# Altium PCB Copy of PCB2.PcbDoc
Units mm, origin at the board's own origin, x right, y up, seen from the top; angles counter-clockwise.
Board outline 60.87 x 100.99 mm, 2 copper layers (Top Layer, Bottom Layer); 60 components, 43 nets, 226 pads, 132 vias.
Unrouted connection lines stored in the file: 10.
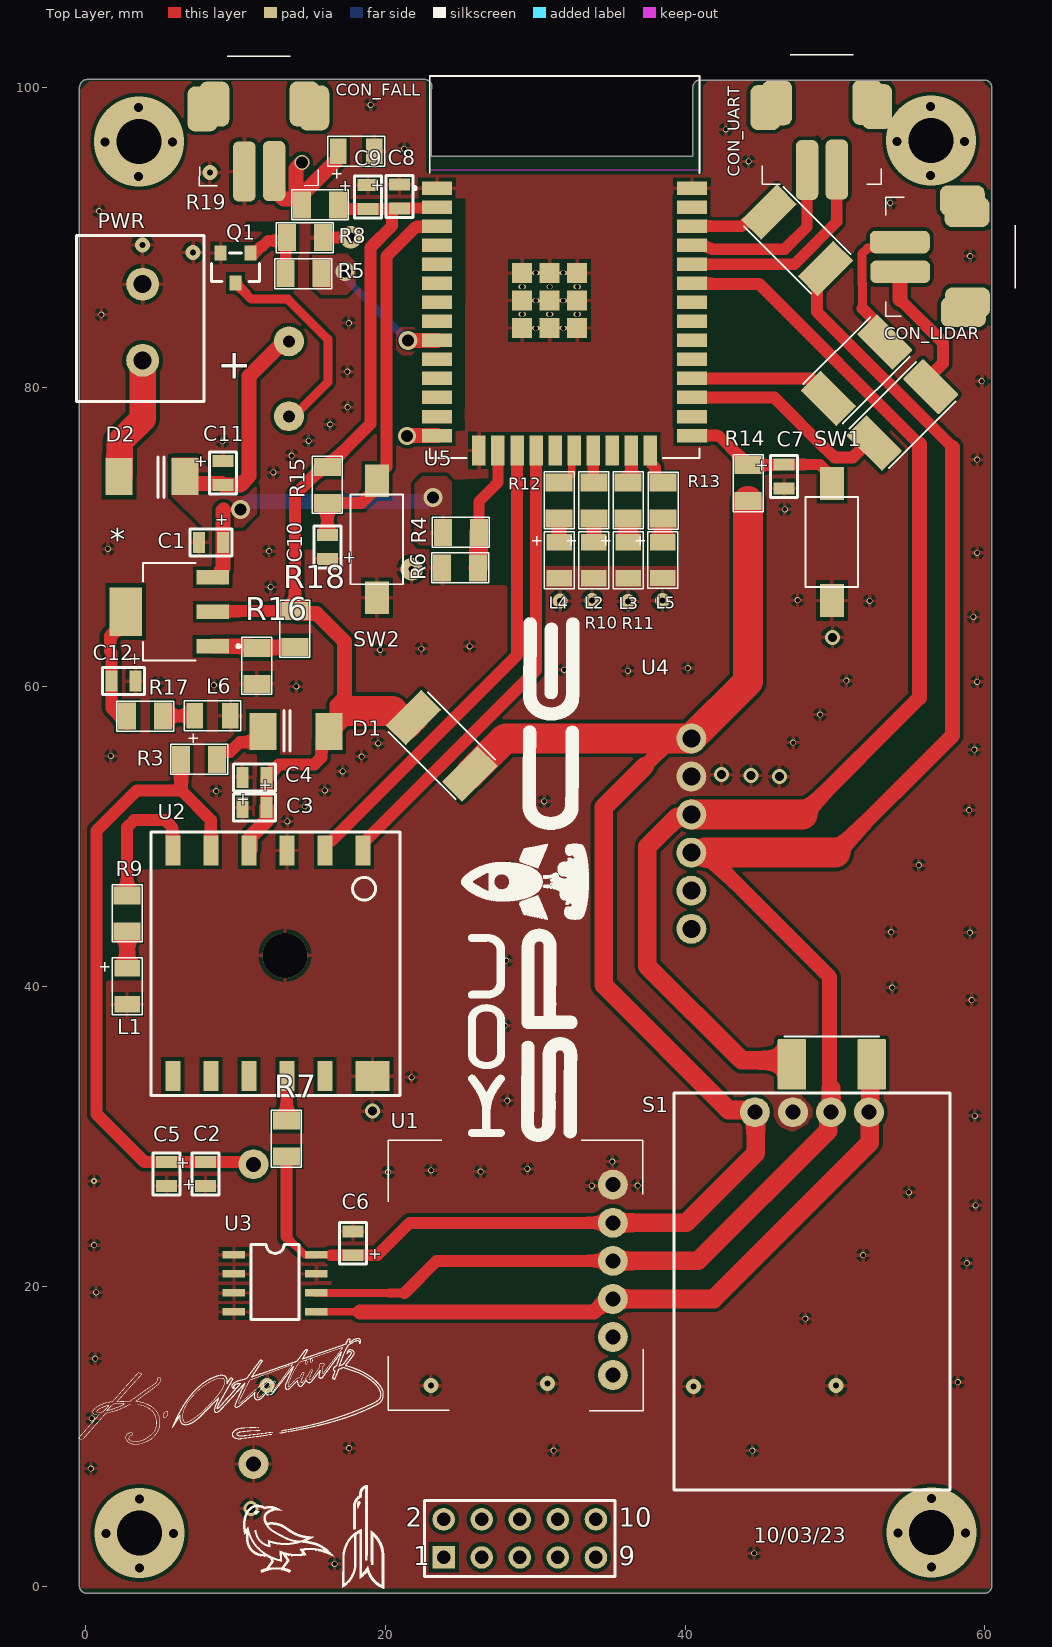
[diagram p0: Top Layer view]
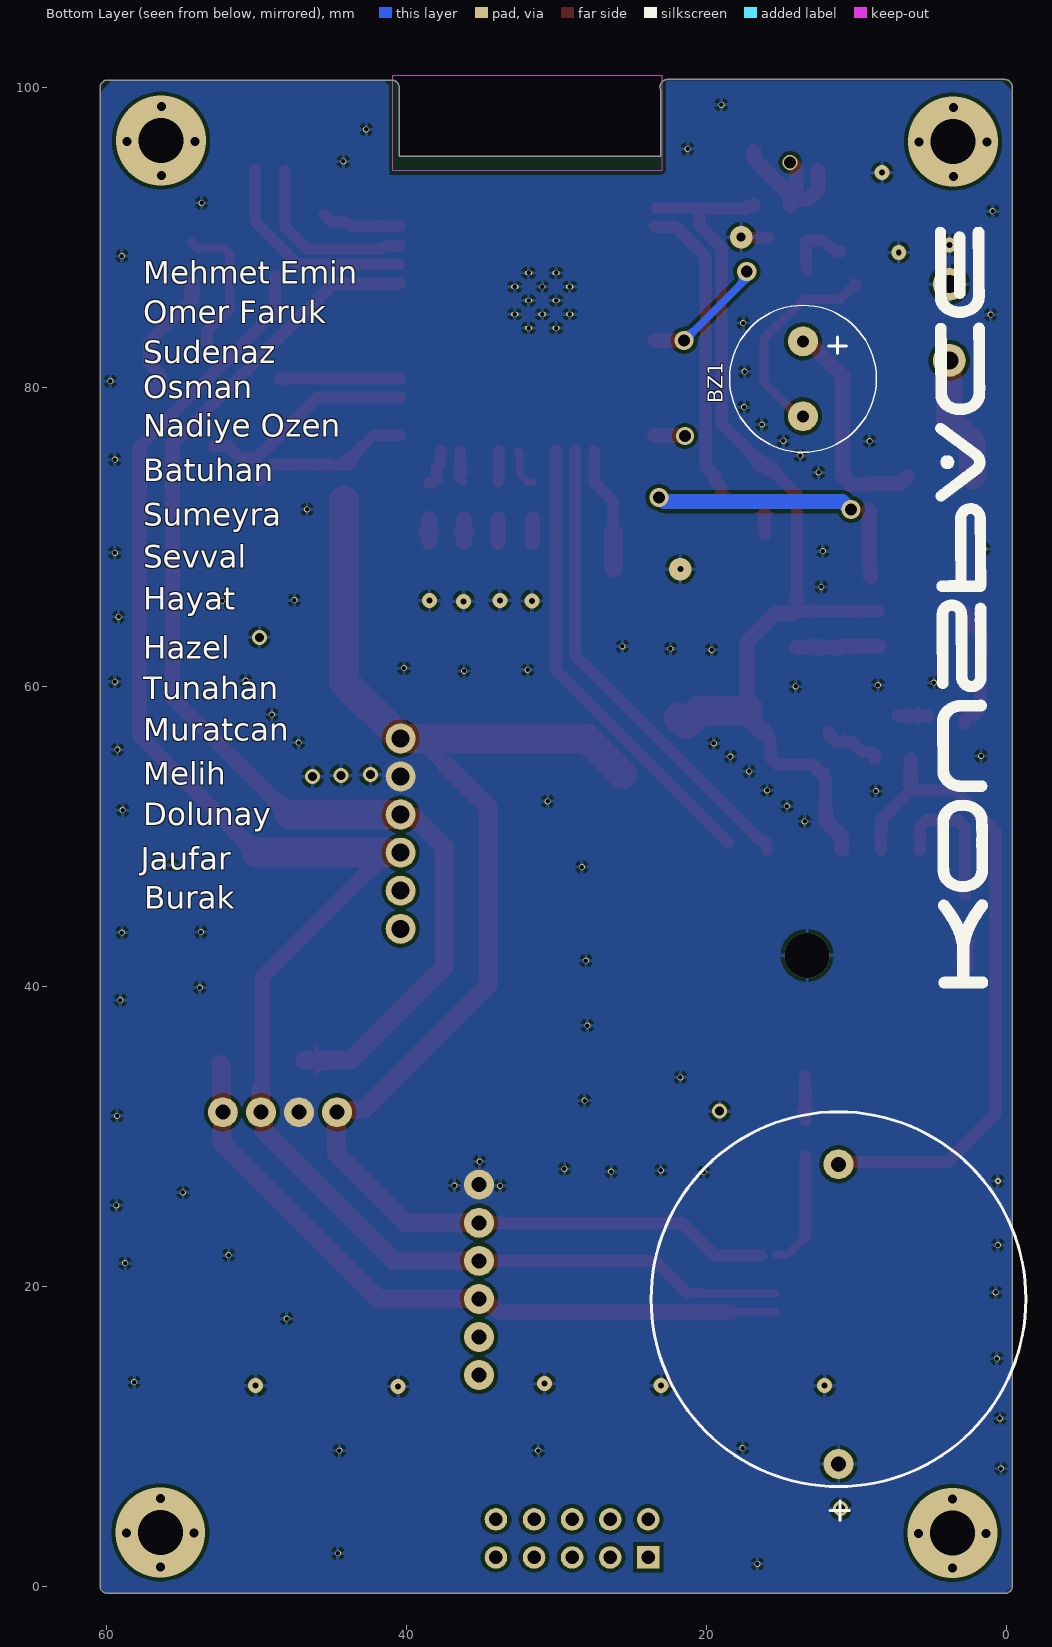
[diagram p1: Bottom Layer view, seen from below]

## Layer stack, top to bottom
Top Solder: solder mask 0.0102, Solder Resist, Dk 3.5
Top Layer: signal copper 0.0356
Dielectric 1: dielectric 0.32, FR-4, Dk 4.8
Bottom Layer: signal copper 0.0356
Bottom Solder: solder mask 0.0102, Solder Resist, Dk 3.5

## Board outline
0.092,-0.462 cw(c0.092,0.038) -0.407,0.069 -0.408,0.1 -0.408,99.966 cw(c0.092,99.966) -0.363,100.174 cw(c0.117,100.03) 0.117,100.53 22.61,100.53 cw(c22.61,100.03) 23.11,100.03 cw(c22.61,100.03) 23.07,99.834 23.07,95.41 40.51,95.41 40.51,99.99 cw(c41.01,99.99) 41.01,100.49 59.96,100.49 cw(c59.96,99.99) 60.46,99.99 60.46,0.038 cw(c59.96,0.038) 59.96,-0.462

## Design rules (kind name [scope] priority, off if disabled: settings)
Clearance [All] p1: gap=0.254 ignorepadtopadclearanceinfootprint=FALSE except(0: Arc-Hole Track-Hole SMDPad-Hole THPad-Hole Via-Hole Fill-Hole Poly-Hole Region-Hole Text-Hole)
PolygonConnect [All] p1: connectstyle=Relief reliefconductorwidth=0.254 reliefentries=4 polygonreliefangle="90 Angle" airgapwidth=0.254
RoutingVias [All] p1: holewidth=0.711 width=1.27 viastyle="Through Hole" minholewidth=0.711 minwidth=1.27 maxholewidth=0.711 maxwidth=1.27
SolderMaskExpansion [All] p1: expansion=0.102 istentingtop=FALSE
Width [All] p1: maxlimit=2 minlimit=0.254 preferedwidth=0.254
30 further rules are at their usual default settings.

## Classes and differential pairs
component class Sensör: BZ1 C1 C2 C3 C4 C5 C6 D1 L1 L2 L3 L4 L5 Q1 R3 R4 R5 R6 R7 R8 R9 R10 R11 R12 R13 S1 U1 U2 U3 U4
component class Mikroişlemci: C7 C8 C9 C10 R14 R15 SW1 SW2 U5
component class Güç: * C11 C12 D2 L6 PWR R16 R17 R18 R19

## Components (designator, comment, footprint, x,y, rotation, side; value= is the part's Value field where it differs from the comment)
* "LM317DCYR" SOT230P700X180-4N 5.588,65.024 r180 top
BZ1 "Buzzer" CMI-9605IC 13.57,80.56 r180 bottom
C1 "100nF" CAP_805 8.37,69.64 r180 top
C2 "CAP 100nF 0805" CAP_805 8,27.51 r270 top
C3 "CAP 100nF 0805" CAP_805 11.26,51.95 r180 top
C4 "CAP 10uF 0805" CAP_805 11.26,53.97 r0 top
C5 "CAP 4.7uF" CAP_805 5.41,27.51 r90 top
C6 "100nF" CAP_805 17.84,22.89 r90 top
C7 "CAP 0.1uF" CAP_805 46.609,74.041 r270 top
C8 "CAP 0.1uF" CAP_805 20.95,92.71 r270 top
C9 "CAP 0.1uF" CAP_805 18.84,92.68 r270 top
C10 "CAP 0.1uF" CAP_805 16.129,69.342 r90 top
C11 "CAP 0.1uF" CAP_805 9.17,74.28 r270 top
C12 "CAP 1uF" CAP_805 2.54,60.39 r180 top
CON_FALL "Comment" SMD_JST 11.58,97.18 r0 top
CON_LIDAR "Comment" SMD_JST 57.11,88.69 r270 top
CON_UART "Comment" SMD_JST 49.12,97.27 r0 top
D1 "S3M Diyot" DO214AA 14.03,57.03 r180 top
D2 "S3M Diyot" DO214AA 4.445,74.041 r0 top
L1 "Led Red" "Led 1206" 2.77,40.02 r270 top
L2 "Led Red" "Led 1206" 33.909,68.453 r270 top
L3 "Led Red" "Led 1206" 36.195,68.453 r270 top
L4 "Led Red" "Led 1206" 31.6,68.453 r270 top
L5 "Led Red" "Led 1206" 38.51,68.47 r270 top
L6 "Led Red" "Led 1206" 8.47,58.09 r0 top
PWR "2 Pin Klemens" "5.08mm-2 pin" 3.81,84.328 r270 top (schematic designator KLM1)
Q1 "BC817-40-HT NPN" SOT-23 10,87.95 r180 top
R3 "RES 4.7K 1206" RES_1206#1 7.58,55.17 r180 top
R4 "15K" RES_1206#1 25.04,70.31 r0 top
R5 "150R" RES_1206#1 14.53,87.58 r0 top
R6 "5.1K" RES_1206#1 24.99,67.94 r180 top
R7 "RES 4.7K 1206" RES_1206#1 13.4,29.87 r90 top
R8 "RES 4.7K 1206" RES_1206#1 14.63,89.97 r180 top
R9 "RES 220R 1206" RES_1206#1 2.77,44.903 r270 top
R10 "RES 220R 1206" RES_1206#1 33.909,72.447 r90 top
R11 "RES 220R 1206" RES_1206#2 36.19,72.447 r90 top
R12 "RES 220R 1206" RES_1206#1 31.6,72.45 r90 top
R13 "RES 220R 1206" RES_1206#1 38.53,72.43 r90 top
R14 "RES 10K 1206" RES_1206#1 44.196,73.603 r270 top
R15 "RES 10K 1206" RES_1206#1 16.129,73.476 r90 top
R16 "200R" RES_1206#1 11.43,61.411 r270 top
R17 "RES 220R 1206" RES_1206#1 3.98,58.06 r180 top
R18 "120R" RES_1206#1 13.97,63.881 r90 top
R19 "PULL_UP" RES_1206#1 15.64,92.155 r0 top
S1 "SEN0140" SEN0140 48.46,31.63 r180 top
SW1 "1437566-3" SW_1437566-3 49.79,69.67 r270 top
SW2 "1437566-3" SW_1437566-3 19.431,69.85 r90 top
U1 "MPL3115A2-TH" MPL3115A2 35.179,20.447 r90 top
U2 "L80 GPS" L-80 12.48,41.54 r90 top
U3 "24LC512" soic-8 12.65,20.21 r270 top
U4 "BNO055" BNO055 49.61,51.57 r0 top
U5 "ESP32-WROOM-32D" MODULE_ESP32-WROOM-32D 31.959,88.022 r0 top
? "Comment" CR2032 11.2,18.16 r90 bottom
? "Comment" RESC6331X70N 49.78,34.82 r0 top
? "Comment" HDR2X5 23.89,1.93 r0 top
? "Comment" RESC6331X70N 23.759,56.081 r135 top
? "Comment" RESC6331X70N 54.499,78.149 r45 top
? "Comment" RESC6331X70N 51.439,81.129 r45 top
? "Comment" RESC6331X70N 47.479,89.801 r135 top
? "Comment" "Led 1206" 18.07,95.73 r0 top

## Footprints (in the part's own frame and the unit in brackets; to place one, negate y for a bottom-side part, rotate by r counter-clockwise, add the part's x,y. Pads: shape width x height; smd on the part's side, far side on the other; paste and mask are expansions set on the pad)
"5.08mm-2 pin" [mm]
  round 2.2 hole 1.2 mask+0.05: 1(-2.54,0) 2(2.54,0)
  silkscreen extent -5.8,-4.4 5.3,4.1, body extent -5.59,-4.2 5.07,3.9, height 10.2
BNO055 [mm]
  round 2 hole 1.2: 2(-9.2,5) 3(-9.2,2.46) 4(-9.2,-0.08) 5(-9.2,-2.62) 6(-9.2,-5.16) 7(-9.2,-7.7)
  body extent -10.5,-14.73 9.82,11.94, height 4.15
CAP_805 [mm]
  rect 0.8x1.4 smd mask+0.05: 1(-0.8,0) 2(0.8,0)
  silkscreen extent -1.4,-0.9 1.4,0.9, body extent -1.3,-0.68 1.3,0.68, height 0.9
CMI-9605IC [mm]
  round 2 hole 0.8 mask+0.05: 1(0,2.5) 2(0,-2.5)
  silkscreen extent -4.9,-4.9 4.9,4.9, body extent -4.8,-4.8 4.8,5.9, height 5.2
CR2032 [mm]
  round 2 hole 1 mask+0.05: 1(-10,0) 2(10,0)
  silkscreen extent -13.75,-12.5 13.5,12.5, body extent -11.25,-11.05 13.04,11.05, height 8.7
DO214AA [mm]
  rect 1.8x2.5 smd mask+0.05: 1(-2.2,0) 2(2.2,0)
  silkscreen extent 0.4,-1.4 0.8,1.3, body extent -2.65,-1.85 2.65,1.85, height 2.3
HDR2X5 [mm] "Connector; Header; 5x2 Position"
  rect 1.5x1.5 hole 0.9: 1(0,0)
  round 1.5 hole 0.9: 2(0,2.54) 3(2.54,0) 4(2.54,2.54) 5(5.08,0) 6(5.08,2.54) 7(7.62,0) 8(7.62,2.54) 9(10.16,0) 10(10.16,2.54)
  silkscreen extent -1.27,-1.27 11.43,3.81
L-80 [mm]
  rect 2x1 smd mask+0.05: 1(7.55,-6.04) 2(7.55,-3.5) 3(7.55,-0.96) 4(7.55,1.58) 5(7.55,4.12) 6(7.55,6.66) 7(-7.5,6.66) 8(-7.5,4.12) 9(-7.5,1.58) 10(-7.5,-0.96) 11(-7.5,-3.5)
  rect 2x2.25 smd mask+0.05: 12(-7.5,-6.66)
  silkscreen extent -8.8,-8.5 8.8,8.1, body extent -8,-8.2 8,7.8, height 7.05
"Led 1206" [mm]
  rect 1.1x1.7 smd mask+0.05: 1(-1.2,0) 2(1.2,0)
  silkscreen extent -1.9,-1.8 1.9,1, body extent -1.59,-0.8 1.61,0.8, height 1.1
MODULE_ESP32-WROOM-32D [mm]
  rect 2x0.9 smd: 1(-8.5,5.26) 2(-8.5,3.99) 3(-8.5,2.72) 4(-8.5,1.45) 5(-8.5,0.18) 6(-8.5,-1.09) 7(-8.5,-2.36) 8(-8.5,-3.63) 9(-8.5,-4.9) 10(-8.5,-6.17) 11(-8.5,-7.44) 12(-8.5,-8.71) 13(-8.5,-9.98) 14(-8.5,-11.25) 25(8.5,-11.25) 26(8.5,-9.98) 27(8.5,-8.71) 28(8.5,-7.44) 29(8.5,-6.17) 30(8.5,-4.9) 31(8.5,-3.63) 32(8.5,-2.36) 33(8.5,-1.09) 34(8.5,0.18) 35(8.5,1.45) 36(8.5,2.72) 37(8.5,3.99) 38(8.5,5.26)
  rect 0.9x2 smd: 15(-5.715,-12.25) 16(-4.445,-12.25) 17(-3.175,-12.25) 18(-1.905,-12.25) 19(-0.635,-12.25) 20(0.635,-12.25) 21(1.905,-12.25) 22(3.175,-12.25) 23(4.445,-12.25) 24(5.715,-12.25)
  rect 1.33x1.33 smd: 39_1(-2.835,-0.405) 39_2(-1,-0.405) 39_3(0.835,-0.405) 39_4(-2.835,-2.24) 39_5(-1,-2.24) 39_6(0.835,-2.24) 39_7(-2.835,-4.075) 39_8(-1,-4.075) 39_9(0.835,-4.075)
  oval 0.5x0.3 hole 0.3: 39_10(-1.917,-0.405) 39_11(-0.082,-0.405) 39_12(-2.835,-1.322) 39_14(0.835,-1.322) 39_15(-1.917,-2.24) 39_16(-0.082,-2.24) 39_17(-2.835,-3.157) 39_18(-1,-3.157) 39_19(0.835,-3.157) 39_20(-1.917,-4.075) 39_21(-0.082,-4.075)
  oval 0.4x0.3 hole 0.3: 39_13(-1,-1.322)
  Keep-Out Layer region: 9,6.45 -9,6.45 -9,12.75 9,12.75
  silkscreen extent -10.1,-12.75 9,12.75, body extent -9,-12.75 9,12.75, height 3.25
MPL3115A2 [mm]
  round 2 hole 1: 1(6.35,0) 2(3.81,0) 3(1.27,0) 4(-1.27,0) 5(-3.81,0) 6(-6.35,0)
  silkscreen extent -8.72,-2.03 9.3,15, body extent -8.7,-2.03 9.3,14.97, height 1.7
RES_1206#1 [mm]
  rect 1.2x1.8 smd mask+0.05: 1(-1.2,0) 2(1.2,0)
  silkscreen extent -1.9,-1 1.9,1, body extent -1.57,-0.82 1.57,0.82, height 0.53
RES_1206#2 [mm]
  rect 1.2x1.8 smd mask+0.05: 1(-1.2,0) (1.2,0)
  silkscreen extent -1.9,-1 1.9,1, body extent -1.57,-0.82 1.57,0.82, height 0.53
RESC6331X70N [mm]
  rrect7% 1.9x3.37 smd: 1(-2.66,0) 2(2.66,0)
  silkscreen extent -3.15,-1.87 3.15,1.87, body extent -3.15,-1.6 3.2,1.6, height 0.58
SEN0140 [mm]
  round 2 hole 1 mask+0.05: 1(3.81,0) 2(1.27,0) 3(-1.27,0) 4(-3.81,0)
  silkscreen extent -9.2,-1.3 9.2,25.2, body extent -8.95,-1.15 9.05,24.85, height 3.6
SMD_JST [mm]
  rrect50% 1.5x4 smd: 1(-0.99,-2.79) 2(1,-2.76)
  rrect50% 2x3 smd: 3(-3.77,1.38) 3(-2.98,1.7) 4(3.03,1.72) 4(3.68,1.45)
  silkscreen extent -3.98,-3.74 3.96,4.91, body extent -3.95,-3.74 3.95,4.88, height 5.61
soic-8 [mm]
  rect 0.5x1.5 smd mask+0.05: 1(-1.905,-2.75) 2(-0.635,-2.75) 3(0.635,-2.75) 4(1.905,-2.75) 5(1.905,2.75) 6(0.635,2.75) 7(-0.635,2.75) 8(-1.905,2.75)
  silkscreen extent -2.6,-1.6 2.4,1.6, body extent -2.46,-3.02 2.44,2.97, height 1.75
SOT230P700X180-4N [mm]
  rect 2.15x0.95 smd: 1(-2.9,2.3) 2(-2.9,0) 3(-2.9,-2.3)
  rect 2.15x3.25 smd: 4(2.9,0)
  silkscreen extent -4.7,-3.25 1.75,3.25, body extent -3.4,-3.25 3.6,3.25, height 1.8
SOT-23 [mm]
  rect 0.8x1 smd mask+0.05: 1(-1,-1) 2(1,-1) 3(0,1)
  silkscreen extent -1.6,-1 1.6,0.9, body extent -1.5,-1.25 1.5,1.25, height 1.1
SW_1437566-3 [mm]
  rect 2.18x1.6 smd: 1(-3.9,0) 2(3.9,0)
  silkscreen extent -3,-1.75 3,1.75

## Part data
BZ1: library part BUZZER, Designed by="Ahmet Azboy"
C1 C6: library part "CAP 100nF 0805", "0805 smd"
C2 C3 C4 C12: "0805 smd"
C5: library part "CAP 2.2uF", "0805 smd"
C7 C8 C9 C10 C11: library part "CAP 1uF", "0805 smd"
D1 D2: Case/Package=DO214AA, Current=3A, Voltage=1000V
PWR: "5.08mm 2 pin klemens"
Q1: Case/Package=SOT-23, Current="500 mA", Voltage=45V
R4 R6: library part "RES 1K 1206"
R5 R19: library part "RES 4.7K 1206"
R16 R18: library part "RES 820R 1206"
S1: "10 DOF IMU"
SW1 SW2: "Switch Tactile OFF (ON) SPST Rectangular Button Gull Wing 0.05A 12VDC SMD Loose Piece", Package=None, Availability=Unavailable, MP=1437566-3, Price=None
U3: "EEPROM Serial-2Wire 512K-bit 64K x 8 3.3V/5V 8-Pin SOIJ Tube / IC EEPROM 512KBIT 400KHZ 8SOIJ", Case/Package=SOIC, Frequency=400kHz, Manufacturer=Microchip, Manufacturer Part Number=24LC512-I/SM, Max Operating Temperature=85°C, Max Supply Voltage=5.5V, Min Operating Temperature=-40°C, Min Supply Voltage=2.5V, Nominal Supply Current=5mA, Package Quantity=90, Supplier Part Number 1=8895724, Access Time=900ns, Access Time-Max=900ns, Category=EEPROM, ComponentLink1Description=https://datasheet.ciiva.com/26870/24lc512-i-sm-26870738.pdf?src-supplier=IIIC, ComponentLink1URL=https://datasheet.ciiva.com/26870/24lc512-i-sm-26870738.pdf?src-supplier=IIIC, ComponentLink2Description=https://datasheet.ciiva.com/29294/160414-da-01-en-eeprom-24lc512-i-sm-microchip-29294348.pdf?src-supplier=Conrad, ComponentLink2URL=https://datasheet.ciiva.com/29294/160414-da-01-en-eeprom-24lc512-i-sm-microchip-29294348.pdf?src-supplier=Conrad, ComponentLink3Description=https://datasheet.ciiva.com/17651/21754m-17651369.pdf?src-supplier=Avnet+Europe, ComponentLink3URL=https://datasheet.ciiva.com/17651/21754m-17651369.pdf?src-supplier=Avnet+Europe, ComponentLink4Description=https://datasheet.ciiva.com/1155/1688094-1155274.pdf?src-supplier=Element14, ComponentLink4URL=https://datasheet.ciiva.com/1155/1688094-1155274.pdf?src-supplier=Element14, ComponentLink5Description=https://datasheet.ciiva.com/1155/1688094-1155275.pdf?src-supplier=Element14, ComponentLink5URL=https://datasheet.ciiva.com/1155/1688094-1155275.pdf?src-supplier=Element14, ComponentLink6Description=https://datasheet.ciiva.com/3184/21754m-3184956.pdf?src-supplier=Avnet, ComponentLink6URL=https://datasheet.ciiva.com/3184/21754m-3184956.pdf?src-supplier=Avnet, ComponentLink7Description=https://datasheet.ciiva.com/16921/70045251-16921949.pdf?src-supplier=Allied+Electronics, ComponentLink7URL=https://datasheet.ciiva.com/16921/70045251-16921949.pdf?src-supplier=Allied+Electronics, ComponentLink8Description=https://datasheet.ciiva.com/16304/filehandler-aspxddocname-en546203-16304574.pdf?src-supplier=Future+Electronics, ComponentLink8URL=https://datasheet.ciiva.com/16304/filehandler-aspxddocname-en546203-16304574.pdf?src-supplier=Future+Electronics, Density=512Kb, Designed by="Ahmet Azboy", Height=1.88mm, Lead Free="Lead Free", Length=5.21mm, Max Frequency=400kHz, Memory Size=512Kb, Memory Type=EEPROM, Mount="Surface Mount", Number of Pins=8, Organization=64KX8, Packaging=Rail/Tube, Pricing 1="90=1,48900 (GBP)", Programming Voltage=5.5V, Radiation Hardening=No, REACH SVHC="No SVHC", RoHS=Yes, RoHS Compliant=Yes, Stock 1=53, Supplier 1=RSComponents, Supply Current=5mA, Supply Voltage-Nom=5.5V, Width=5.28mm, Write Cycle Time-Max (tWC)=5ms, Write Protection=YES, Interface=I2C,Serial,2-Wire
U5: "Bluetooth, WiFi 802.11b/g/n, Bluetooth v4.2 +EDR, Class 1, 2 and 3 Transceiver Module 2.4GHz ~ 2.5GHz Integrated", Package="Module Espressif Systems", Availability="In Stock", Check_prices=https://www.snapeda.com/parts/ESP32-WROOM-32D/Espressif+Systems/view-part/?ref=eda, MF="Espressif Systems", MP=ESP32-WROOM-32D, Price=None, Purchase-URL=https://pricing.snapeda.com/search/part/ESP32-WROOM-32D/?ref=eda, SnapEDA_Link=https://www.snapeda.com/parts/ESP32-WROOM-32D/Espressif+Systems/view-part/?ref=snap
U2: Designed by="Ahmet Azboy", Name="Quetcel L80"

## Via types
v1: diameter 0.4, hole 0.3, Top Layer to Bottom Layer, 84 vias
v2: diameter 0.6, hole 0.6, Top Layer to Bottom Layer, 16 vias
v3: diameter 1, hole 0.4, Top Layer to Bottom Layer, 12 vias
v4: diameter 1, hole 0.6, Top Layer to Bottom Layer, 6 vias
v5: diameter 1.27, hole 0.8, Top Layer to Bottom Layer, 4 vias
v6: diameter 6, hole 3, Top Layer to Bottom Layer, 4 vias
v7: diameter 1, hole 0.8, Top Layer to Bottom Layer, 1 vias
v8: diameter 1.2, hole 0.8, Top Layer to Bottom Layer, 1 vias
v9: diameter 0.4, hole 0.2, Top Layer to Bottom Layer, 1 vias
v10: diameter 3, hole 3, Top Layer to Bottom Layer, 1 vias
v11: diameter 1.5, hole 0.4, Top Layer to Bottom Layer, 1 vias
v12: diameter 1.5, hole 0.6, Top Layer to Bottom Layer, 1 vias

## Nets (pads, with @x,y where several pads share a name; then routed paths per layer and width w, separated by ;. In a path a pad name is that pad's centre, name@x,y a point inside that pad or via, vN(x,y) a via of type N, cw(c..) or ccw(c..) an arc to the next point about the centre after c; other vN are vias at no path point)
+3V3: *.2 *.4 ?.1@25.64,54.2 ?.2@21.878,57.962 C3.1 C4.2 C6.1 C8.2 C9.2 C12.2 D1.1 R7.1 R14.2 R15.2 R17.2 R18.2 R19.2 S1.1 U1.2 U2.4 U3.8 U4.2 U5.2 | length 185.2
  Top Layer w0.5: 13.4,23.33 14.615,22.115 U3.8 ; C8.2 20.996,91.956 C8.2@21.006,91.966 ; U5.2@23.403,91.956 U5.2
  Top Layer w0.75: C8.2@20.526,91.956 20.996,91.956 U5.2@23.403,91.956
  Top Layer w0.8: *.4 2.688,64.474 1.62,63.406 1.62,62.41 1.74,62.29 C12.2 1.74,58.598 2.307,58.031 2.607,58.031 2.807,57.831 R17.2@2.807,57.531 ; *.2 8.517,65.053 13.941,65.053 R18.2 ; U2.4 U2.4@11,49.19 ; 11.47,50.47 11.591,50.47 ; C3.1 C4.2 ; C4.2@12.13,54.27 12.36,54.27 12.92,54.83 15.261,54.83 15.73,55.299 15.73,56.53 D1.1 ; 13.4,23.33 R7.1 ; R18.2@14.139,64.912 R18.2 ; 16.378,22.09 C6.1 19.47,22.09 21.637,24.257 U1.2 ; D1.1@16.689,57.489 16.689,58.402 16.689,58.819 16.937,59.067 17.29,59.42 ; R19.2@16.84,92.21 16.84,92.1 16.83,92.09 R19.2@17.26,92.09 ; R19.2@17.37,91.9 18.84,91.9 20.17,91.9 ; C8.2@20.459,91.9 20.459,90.769 19.01,89.32 19.01,77.557 16.629,75.176 16.629,74.876 16.429,74.676 R15.2 15.829,74.676 13.97,72.817 R18.2
  Top Layer w1: U2.4@11,49.19 11,50 11.47,50.47 12.06,51.06 C3.1 ; R18.2@14.139,64.912 15.398,64.912 17.29,63.02 17.29,59.42 ; 37.31,54.72 39.017,56.427
  Top Layer w1.25: D1.1 16.689,57.489 17.602,58.402 ; U1.2 40.077,24.257 44.704,28.884 44.704,31.63 44.56,31.774 42.916,31.774 34.57,40.12 34.57,51.98 37.31,54.72
  Top Layer w2: 17.602,58.402 20.469,58.402 21.358,57.513 21.429,57.513 ?.2@21.878,57.962 ; ?.1@25.64,54.2 28.01,56.57 U4.2 44.196,60.356 R14.2
+12V: *.3 BZ1.1 C1.1 C11.2 D2.2 R4.1 | length 33
  Top Layer w1: D2.2@7.03,73.656 D2.2 6.645,73.98 7.045,73.58 9.07,73.58 C11.2 10.334,73.48 10.92,74.066 10.92,80.74 BZ1.1@13.29,83.11 ; *.3@9.063,67.349 9.063,67.803 9.17,67.91 C1.1 9.17,71.76 9.2,71.79
  Bottom Layer w1: v5(10.35,71.85) 10.423,71.85 10.933,72.36 22.827,72.36 23.107,72.64 v5(23.18,72.64)
+12V_D: D2.1 PWR.2 | length 8.4
  Top Layer w1.75: D2.1 2.28,74.076 2.28,76.35 3.81,77.88 PWR.2
BATTERY: R4.2 R6.1 U5.16 | length 8.4
  Top Layer w0.75: R4.2 26.24,72.37 27.34,73.47 27.514,73.644 U5.16
  Top Layer w1.256: R6.1 26.215,67.965 26.215,70.285 R4.2
BUZZER: R5.2 U5.9 | length 8.3
  Top Layer w0.5: v5(21.5,83.11) v5@21.506,83.116 ; U5.9@23.453,83.116 U5.9
  Top Layer w1: v5@21.506,83.116 U5.9@23.453,83.116
  Bottom Layer w0.5: v5(17.32,87.72) 17.467,87.573 17.467,87.143 v5(21.5,83.11)
CNTRL_RX: CON_UART.2 U5.34 | length 14.3
  Top Layer w0.75: U5.34 47.282,88.202 50.12,91.04 CON_UART.2
CNTRL_TX: CON_UART.1 U5.35 | length 12.2
  Top Layer w0.75: U5.35 40.535,89.397 41.408,89.397 41.524,89.281 41.72,89.281 41.794,89.207 46.647,89.207 48.13,90.69 CON_UART.1
FREE_FALL: ?.1@16.87,95.73 CON_FALL.2 R19.1 U5.14 | length 12.2
  Top Layer w1: CON_FALL.2 12.58,93.17 13.195,92.555 R19.1@14.04,92.555 ; R19.1@14.03,92.565 14.03,94.6 v7(14.43,95) ; R19.1 14.44,92.841 16.82,95.221 16.82,95.68 ?.1@16.87,95.73 ; v8(21.45,76.74) 21.482,76.772 U5.14
GND: ?.1@11.2,8.16 ?.2@19.27,95.73 C1.2 C2.2 C3.2 C4.1 C5.1 C6.2 C7.2 C8.1 C9.1 C10.1 C11.1 C12.1 CON_FALL.1 L1.2 L2.2 L3.2 L4.2 L5.2 L6.2 PWR.1 Q1.2 R6.2 R8.1 R16.2 S1.2 SW1.2 SW2.1 U1.1 U2.3 U2.12 U3.1 U3.2 U3.3 U3.4 U3.7 U4.3 U5.1 U5.15 U5.38 U5.39_1 U5.39_2 U5.39_3 U5.39_4 U5.39_5 U5.39_6 U5.39_7 U5.39_8 U5.39_9 U5.39_10 U5.39_11 U5.39_12 U5.39_13 U5.39_14 U5.39_15 U5.39_16 U5.39_17 U5.39_18 U5.39_19 U5.39_20 U5.39_21 | length 1.9
  Top Layer w0.8: R8.1 15.85,89.99 17.67,89.99 v12(17.69,90.01)
  other v1: 16.61,1.5 44.6,2.21 0.36,7.86 31.23,9.06 44.49,9.06 17.59,9.22 0.43,11.21 58.19,13.62 0.64,15.2 48.02,17.86 0.71,19.62 58.79,21.56 51.88,22.1 0.57,22.76 59.38,25.42 54.93,26.29 33.77,26.72 36.83,26.74 20.19,27.63 26.36,27.67 23.05,27.76 29.48,27.85 35.14,28.34 59.33,31.39 28.14,32.41 21.75,33.96 27.96,37.41 59.11,39.11 53.81,39.95 28.05,41.74 59,43.62 53.74,43.65 28.32,47.99 55.59,48.11 13.46,51.03 58.95,51.78 14.64,52.05 30.6,52.37 8.71,53.06 15.967,53.103 17.157,54.369 18.413,55.357 1.69,55.4 59.3,55.82 19.513,56.237 47.21,56.29 49,58.16 14.057,60.033 8.567,60.123 4.83,60.29 59.48,60.34 50.75,60.42 36.18,61.07 31.93,61.14 40.19,61.25 19.66,62.48 22.41,62.55 25.617,62.715 59.23,64.67 52.31,65.74 47.5,65.79 12.35,66.67 59.48,68.95 12.24,69.06 1.49,69.21 46.65,71.85 12.53,74.31 59.48,75.16 13.75,75.43 9.13,76.4 14.88,76.42 16.31,77.51 17.49,78.67 59.78,80.4 17.46,81.03 17.56,84.28 1.05,84.84 59.01,88.75 0.91,91.74 53.68,92.29 44.23,95.06 21.26,95.9 42.71,97.19 19.02,98.84
  other v3: 40.57,13.33 12.12,13.39 23.03,13.39 50.08,13.39 30.81,13.52 36.2,65.71 31.66,65.74 38.49,65.76 33.792,65.78 7.18,88.99 3.79,89.49 8.29,94.31
  other v4: 11.05,5.19 19.13,31.7 46.28,54.02 44.39,54.1 42.42,54.15 49.83,63.31
  other v9: 0.57,27.04
  other v10: 13.3,42.1
  other v11: 21.75,67.86
GPS_RXD: U2.2 U5.17 | length 32.1
  Top Layer w0.75: U2.2 15.98,49.59 16.105,49.715 U2.2@16.375,49.715
  Top Layer w0.8: U2.2@16.375,49.715 28.784,62.124 U5.17
GPS_TXD: U2.1 U5.18 | length 30.9
  Top Layer w0.8: U2.1@18.545,49.615 30.054,61.125 U5.18
I/O1: U5.11
I/O2: U5.12
I/O3: U5.13
I/O4: 
IO0: C7.1 R14.1 SW1.1 U5.25 | length 11
  Top Layer w0.75: U5.25 42.227,76.772 43.671,75.328 43.671,75.028 43.896,74.803 R14.1 46.271,74.803 46.309,74.841 C7.1 48.983,74.841 49.784,74.04 SW1.1@49.784,73.75
"LED CNTRL": R11. U5.22 U5.23 | length 2.2
  Top Layer w0.5: R11. R11.@36.43,73.887 ; U5.23 U5.23@36.43,75.746
  Top Layer w0.75: R11.@36.43,73.887 U5.23@36.43,75.746
"LED PWR": R10.2 U5.21 | length 2.1
  Top Layer w0.5: R10.2@33.864,73.692 R10.2
  Top Layer w0.75: R10.2@33.864,73.692 U5.21
LED_FREEFALL: R13.2 U5.24 | length 2.7
  Top Layer w0.75: U5.24 37.75,75.697 37.75,74.891 38.005,74.635 38.005,73.855 38.23,73.63 R13.2
Led_Gps: R9.1 U2.6 | length 9.5
  Top Layer w0.8: R9.1 2.77,50.641 3.239,51.11 5.306,51.11 5.774,50.641 5.774,49.136 U2.6
LEDSİGN: R12.2 U5.20 | length 2.7
  Top Layer w0.5: R12.2 31.9,73.65 32.45,74.2 32.45,75.628 U5.20
Net*_1: *.1 R16.1 R18.1 | length 5.6
  Top Layer w1: *.1 11.017,62.724 11.13,62.611 R16.1 11.465,62.646 13.935,62.646 R18.1
NetBT1_POS: ?.2@11.2,28.16 C2.1 C5.2 R3.2 U2.5 | length 44.4
  Top Layer w0.8: 6.38,53.11 6.39,53.1 ; U2.5 8.36,51.13 6.39,53.1 ; ?.2@11.2,28.16 11.05,28.31 C2.1 3.93,28.31 0.73,31.51 0.73,50.4 3.43,53.1 6.39,53.1
  Top Layer w0.9: 6.38,53.11 R3.2
NetBZ1_2: BZ1.2 Q1.3 | length 14.8
  Top Layer w0.6: Q1.3 10,86.85 10.1,86.75 10.2,86.75 11.07,85.88 13.5,85.88 16.17,83.21 16.17,80.34 BZ1.2@13.25,77.42
NetC10_2: C10.2 R15.1 SW2.2 U5.3 | length 25.8
  Top Layer w0.8: C10.2 R15.1 18.396,72.276 19.031,72.911 19.031,73.35 SW2.2 19.431,74.04 20.07,74.679 20.07,88.72 22.042,90.692 23.409,90.692 U5.3
NetD1_2: D1.2 R3.1 | length 4.1
  Top Layer w0.8: R3.1 8.78,55.47 8.98,55.67 9.641,55.67 10.292,56.321 11.33,56.321 11.83,56.821 D1.2
NetL1_1: L1.1 R9.2 | length 2.5
  Top Layer w1: L1.1 R9.2
NetL2_1: L2.1 R10.1 | length 1.6
  Top Layer w1: L2.1 R10.1
NetL3_1: L3.1 R11.1 | length 1.6
  Top Layer w1: R11.1 36.192,71.245 36.192,69.656 L3.1
NetL4_1: L4.1 R12.1 | length 1.6
  Top Layer w1: L4.1 R12.1
NetL5_1: L5.1 R13.1 | length 1.6
  Top Layer w1: L5.1 38.52,69.68 38.52,71.22 R13.1
NetL6_1: L6.1 R17.1 | length 2.1
  Top Layer w0.8: R17.1 5.195,58.075 7.255,58.075 L6.1
NetLabel24: 
NetLabel25: 
NetLabel27: 
NetLabel28: 
NetLabel29: 
NetQ1_1: Q1.1 R5.1 R8.2 | length 4.7
  Top Layer w0.75: Q1.1@11.008,89.034 11.008,89.058 11.025,89.075 11.385,89.075 11.693,89.383 11.783,89.383 12.174,89.774 13.424,89.774 13.355,89.705 13.355,87.875 R5.1@13.31,87.83
NetR7_2: R7.2 U2.10 | length 3
  Top Layer w0.8: R7.2 13.42,31.09 13.42,34.02 U2.10
RXD_LİDAR: ?.1@52.618,76.268 ?.2@56.38,80.03 CON_LIDAR.2 U5.27 | length 23.6
  Top Layer w0.8: U5.27 45.948,79.312 49.39,75.87 49.409,75.87 49.965,75.314 51.195,75.314 51.995,76.114 52.802,76.114 ?.1@52.863,76.053 ; 54.34,85.84 57.2,82.98 57.2,81.588 56.4,80.788 56.4,80.423 ?.2@57.2,79.623
  Top Layer w1: 54.34,85.84 54.34,86.923
SCL: ?.1@49.36,87.92 ?.2@45.598,91.682 S1.3 U1.3 U3.6 U4.5 U5.36 | length 121.1
  Top Layer w0.56: U3.6 21.285,19.575
  Top Layer w0.75: U5.36 43.785,90.742 44.065,91.022 45.008,91.022 ?.2@45.528,91.542
  Top Layer w0.8: 21.285,19.575 23.427,21.717 U1.3 ; ?.1@48.79,87.41 48.79,85.032 57.84,75.983
  Top Layer w1: U4.5 41.34,48.95 49.639,40.651 49.639,33.419 49.784,33.274 ; 50.02,48.95 57.84,56.77 57.84,75.983
  Top Layer w1.24: U1.3 40.857,21.717 49.54,30.4 S1.3@49.54,31.63 ; S1.3 49.73,33.22
  Top Layer w2: U4.5@41.34,48.95 50.02,48.95
SDA: ?.1@47.12,34.82 ?.2@52.44,34.82 S1.4 U1.4 U3.5 U4.4 U5.33 | length 125.6
  Top Layer w0.5: U3.5 18.32,18.305
  Top Layer w0.56: U1.4@34.789,19.177 U1.4
  Top Layer w0.8: U5.33 40.509,86.882 44.938,86.882 55.62,76.2
  Top Layer w1: 18.32,18.305 33.917,18.305 U1.4@34.789,19.177 ; 47.83,51.49 55.62,59.28 55.62,76.2
  Top Layer w1.25: U1.4 41.909,19.177 52.324,29.592 S1.4@52.324,31.63 ; U4.4 40.266,51.346 39.486,51.346 37.48,49.34 37.48,41.38 43.77,35.09 ?.1@46.8,35.09 ; S1.4 52.355,31.715 52.355,34.735 ?.2@52.44,34.82
  Top Layer w2: U4.4 47.83,51.49
TXD_LİDAR: ?.1@49.558,79.248 ?.2@53.32,83.01 CON_LIDAR.1 U5.28 | length 17.4
  Top Layer w0.6: 51.82,85.26 51.82,86.906 51.796,86.93 51.796,88.898 52.174,89.276 53.916,89.276 CON_LIDAR.1
  Top Layer w0.8: U5.28 48.388,80.582 ?.1@48.46,80.51 ; 51.82,85.26 53.32,83.76 ?.2@53.32,83.01
pads on no net: ?.1@23.89,1.93 ?.2@23.89,4.47 ?.3 ?.4 ?.5 ?.6 ?.7 ?.8 ?.9 ?.10 CON_FALL.3 CON_FALL.4 CON_LIDAR.3 CON_LIDAR.4 CON_UART.3 CON_UART.4 U1.5 U1.6 U2.7 U2.8 U2.9 U2.11 U4.6 U4.7 U5.4 U5.5 U5.6 U5.7 U5.8 U5.10 U5.19 U5.26 U5.29 U5.30 U5.31 U5.32 U5.37
copper on no net: | length 6.8
  Top Layer w0.254: v2(54.14,96.4) 56.349,96.4 v6(56.393,96.444) 58.626,96.444 v2@58.65,96.42
  Bottom Layer w0.254: v2(56.37,98.71) 56.37,96.467 v6(56.393,96.444)
  other v2: 3.584,1.232 56.421,1.283 1.354,3.512 5.864,3.512 54.191,3.563 58.701,3.563 3.584,5.822 56.421,5.873 3.533,94.069 56.37,94.12 1.303,96.349 5.813,96.349 58.65,96.4 3.533,98.659
  other v6: 3.607,3.556 56.444,3.607 3.556,96.393

## Polygon pours and split planes (outlines as drawn)
GND on Top Layer "GND_L01_P009" (solid, pour order 9): -0.32,-0.05 -0.23,-0.14 60.282,-0.14 60.34,-0.082 60.34,99.88 59.76,100.46 41.59,100.46 41.13,100 41.13,94.17 22.92,94.17 22.7,94.39 22.7,100.37 22.63,100.44 22.6,100.41 0.26,100.41 -0.35,99.8 -0.32,99.77
BUZZER on Top Layer "BUZZER_L01_P002" (solid, pour order 2): 24.44,83.54 24.44,82.69 24.43,82.68 22.27,82.68 21.72,82.13 21.11,82.13 20.69,82.55 20.69,83.69 21,84 21.91,84 22.34,83.57 24.45,83.57 24.45,83.59
+12V on Top Layer "+12V_L01_P005" (solid, pour order 5): 5.68,75.16 5.76,75.08 5.76,72.73 7.85,70.64 10.49,70.64 11.41,71.56 11.41,73.96 11.23,74.14 8.61,74.14 7.41,75.34 5.8,75.34
+12V on Top Layer "+12V_L01_P003" (solid, pour order 3): 24.45,69.4 24.4,69.45 22.26,69.45 21.97,69.74 21.97,73.57 22.46,74.06 24.06,74.06 24.43,73.69
BUZZER on Top Layer "BUZZER_L01_P000" (solid, pour order 0): 15.07,88.92 15.14,88.85 15.14,86.74 15.71,86.17 17.42,86.17 18.03,86.78 18.03,88.32 17.452,88.898
GND on Bottom Layer "GND_L02_P008" (solid, pour order 8): -0.31,99.82 0.275,100.405 3.05,100.43 22.61,100.43 22.61,100.41 22.96,100.06 22.96,94.14 41.18,94.14 41.22,94.18 41.07,94.33 41.07,99.97 41.55,100.45 41.59,100.41 59.7,100.41 60.39,99.72 60.37,99.7 60.37,-0.09 60.04,-0.42 0.07,-0.42 -0.35,0 -0.31,0.04

## Other copper
Top Layer:
  pour cut-out: 46.586,81.361 46.629,81.318 46.629,81.242 48.627,81.242 48.714,81.155 48.893,81.334 49.088,81.334 49.088,81.387 49.152,81.451 48.065,82.537 48.065,82.581 47.969,82.581 46.629,81.242
  pour cut-out: 51.64,78.657 51.819,78.657 52.002,78.474 51.975,78.448 51.975,78.341 50.547,76.913 50.547,76.628 50.951,76.223 50.938,76.21 50.938,76.097 50.867,76.097 50.744,75.974 50.219,75.974 49.552,76.641 49.907,76.997 49.907,77.208 50.173,77.208 50.203,77.177 51.64,78.614 51.64,78.657 51.736,78.657 51.778,78.699
  pour cut-out: 43.042,73.949 43.042,73.257 45.35,73.257 45.35,73.949
  pour cut-out: 41.714,86.222 41.714,81.242 41.717,81.246 44.665,81.246 44.665,86.222
  pour cut-out: 44.665,86.222 44.665,81.246 46.442,81.242 48.065,82.581 50.556,79.99 49.105,78.439 48.749,78.51 47.159,80.099 46.43,79.85 46.136,79.922 46.114,79.778 49.143,76.75 49.597,76.75 49.937,77.251 49.244,78.08 50.695,79.631 50.82,79.656 53.436,77.04 53.78,77.11
  pour cut-out: 11.406,54.924 11.41,55.58 12.559,55.526 12.587,55.399 12.033,54.926
  pour cut-out: 27.998,73.236 26.881,72.104 26.881,71.464 27.094,71.464 27.044,66.786 28.12,66.79 28.125,73.197
  pour cut-out: 14.63,72.544 14.64,69.14 17.083,69.196 17.083,69.488 15.175,69.488 15.175,70.796 15.43,70.89 15.46,71.088 15.419,71.31 15.356,71.417 14.975,71.422 14.975,72.723 14.858,72.772 14.975,72.723 14.858,72.772
  pour cut-out: 45.326,87.561 45.293,87.434 48.115,84.638 48.219,84.703 48.074,86.382 47.239,87.285 47.231,87.501 47.132,87.599
  pour cut-out: 48.702,96.804 48.645,96.633 48.921,96.091 48.921,91.271 49.048,91.218 49.397,91.567 49.397,95.751 49.283,96.099 49.204,96.205 49.138,96.281 49.07,96.6 48.834,96.804
  pour cut-out: 49.233,75.43 49.817,74.914 50.52,74.93 50.844,74.914 51.34,74.87 51.985,75.489 51.43,75.52 51.031,76.157 50.586,75.873 50.336,75.624 50.041,75.453 49.436,75.294
  pour cut-out: 42.472,77.365 42.68,77.225 43.06,76.84 44.175,75.802 44.75,75.48 45.103,75.657 45.35,75.657 45.355,75.482 45.521,75.452 45.902,75.495 46.74,75.47 48.379,75.482 48.422,75.609 45.375,78.652 41.714,78.629 41.714,77.42 41.714,78.629 41.714,77.42
  pour cut-out: 1.616,44.557 1.44,44.592 1.39,44.549 1.4,40.42 1.666,40.416 1.666,42.024 1.891,42.024 1.978,42.576 1.956,42.679 1.877,42.844 1.616,42.849 1.616,44.525 1.43,44.66 1.39,44.549
  pour cut-out: 1.39,50.127 1.43,44.66 3.924,44.557 3.924,45.249 1.616,45.249 1.616,46.957 2.018,46.982 2.107,47.362 2.17,50.88 1.994,50.731 2.17,50.88 1.994,50.731
  pour cut-out: 22.205,78.603 20.707,78.595 20.73,81.978 20.847,82.027 20.927,81.947 21.819,81.891 22.088,82.132 22.205,82.083
  pour cut-out: 22.205,89.923 22.205,84.226 22.078,84.193 21.91,84.259 21,84.259 20.73,84.264 20.73,88.447
  pour cut-out: 39.205,77.338 39.13,77.353 39.13,92.77
  pour cut-out: 24.71,77.06 25.34,77.11 25.29,78.55 25.342,78.553 25.362,92.599 24.713,92.578 24.713,77.338
  pour cut-out: 48.724,50.596 49.052,51.163 49.094,51.483 49.23,51.88 56.355,59.083 56.481,76.409 57.079,75.81 57.079,57.085 50.15,50.29 50.015,50.215 49.48,50.23 48.68,50.23 48.36,50.215 48.335,50.342 48.36,50.215 48.335,50.342
  pour cut-out: 25.787,72.823 25.599,71.738 25.575,71.528 25.386,71.464 25.336,66.786 24.644,66.786 24.641,73.832 26.873,73.91 24.641,73.832 26.873,73.91
  pour cut-out: 39.614,68.074 39.614,68.866 30.696,68.849 30.696,68.057 30.696,68.849 30.696,68.057
  pour cut-out: 30.696,72.796 30.696,72.104 39.684,72.084 39.684,72.776 30.46,72.84
  pour cut-out: 10.346,89.704 9.654,89.704 9.654,88.196 10.346,88.196
  pour cut-out: 47.796,32.875 47.762,32.748 48.359,32.114 48.394,31.981 48.526,31.981 48.561,32.114 48.823,32.497 48.85,36.84 48.129,36.74 48.33,33.201 48.235,32.97
  pour cut-out: 50.899,32.114 51.066,31.981 51.101,32.114 51.468,32.602 51.468,32.892 51.23,33.201 51.255,36.564 50.27,36.65 50.399,33.784 50.493,33.661 50.632,32.522 51.101,32.114
  pour cut-out: 16.404,20.341 16.46,20.02 20.897,20.119 23.427,22.377 34.084,22.459 34.695,22.886 35.04,23.03 34.79,23.31 34.188,23.454 33.824,23.588 21.91,23.597 19.69,21.7 19.63,21.67 19.641,21.453 16.497,21.43 16.404,21.303 16.404,20.972
  pour cut-out: 36.425,23.37 35.53,23.053 35.53,22.921 36.039,22.631 40.492,22.599 48.658,30.765 48.561,31.146 48.394,31.279 48.193,30.86 47.317,30.376 47.025,30.376 46.42,30.627 46.187,30.86 46.021,31.146 45.986,31.279 45.854,31.279 45.597,30.671 45.56,28.655 40.52,23.489 36.88,23.41 36.036,23.341 35.53,23.053 35.53,22.921
  pour cut-out: 36.433,20.835 35.53,20.513 36.077,20.085 41.542,20.064 51.58,30.21 51.101,31.146 51.066,31.279 50.5,30.84 50.303,29.959 40.857,20.835 36.073,20.811 35.663,20.548
  pour cut-out: 23.7,21.057 21.835,19.193 21.888,19.066 33.602,19.066 33.956,19.459 34.409,20.18 34.828,20.381 34.828,20.513 34.026,20.999 31.22,20.93 30.35,21.1
  pour cut-out: 17.782,18.843 17.861,18.904 17.818,19.031 14.396,19.071 14.396,18.809 14.396,19.071 14.396,18.809
  pour cut-out: 18.048,50.481 18.643,50.627 29.413,61.39 29.42,61.94 28.88,61.54
  pour cut-out: 17.649,50.073 17.766,50.019 17.766,47.836 16.734,47.836 16.734,48.996
  pour cut-out: 3.43,50.368 3.512,50.45 5.016,50.45 5.066,47.836 3.42,47.79
  pour cut-out: 3.208,51.766 5.636,51.681 6.411,50.812 6.452,50.344 6.574,47.836 7.606,47.836 7.606,50.344 7.693,50.492 7.7,50.857 6.117,52.44 3.703,52.44 3.149,51.886 3.703,52.44 3.149,51.886
  pour cut-out: 12.722,90.38 12.722,91.072 10.617,91.072 10.617,90.38
  region: 461 vertices and 0 holes, not listed, extent 1.716,0.774 5.544,3.064

## Silkscreen, mask and mechanical layers (free items; w line width, h text height)
Top Overlay:
  drawing of 28 lines, arcs and shapes, not listed
  text "+" at 8.8,80.547 h2
  text "10/03/23" at 44.57,2.92 h1
Bottom Overlay:
  drawing of 10 lines, arcs and shapes, not listed
  text "Mehmet Emin" at 57.57,86.91 h1.5
  text "Omer Faruk" at 57.57,84.28 h1.5
  text "Sudenaz" at 57.57,81.597 h1.5
  text "Osman" at 57.57,79.267 h1.5
  text "Nadiye Ozen" at 57.57,76.69 h1.5
  text "Batuhan" at 57.57,73.71 h1.5
  text "Sumeyra" at 57.57,70.77 h1.5
  text "Sevval" at 57.57,67.94 h1.5
  text "Hayat" at 57.57,65.15 h1.5
  text "Hazel" at 57.57,61.88 h1.5
  text "Tunahan" at 57.57,59.17 h1.5
  text "Muratcan" at 57.57,56.4 h1.5
  text "Melih" at 57.57,53.484 h1.5
  text "Dolunay" at 57.59,50.76 h1.5
  text "Jaufar" at 57.74,47.82 h1.5
  text "Burak" at 57.5,45.2 h1.5

## Text inside footprints (layer, text, board x,y; h text height)
C1: Top Overlay "+" at 9.57,71.473 h0.8 r180
C2: Top Overlay "+" at 6.167,28.71 h0.8 r270
C3: Top Overlay "+" at 12.46,53.783 h0.8 r180
C4: Top Overlay "+" at 10.06,52.137 h0.8
C5: Top Overlay "+" at 7.243,26.31 h0.8 r90
C6: Top Overlay "+" at 19.673,21.69 h0.8 r90
C7: Top Overlay "+" at 44.776,75.241 h0.8 r270
C8: Top Overlay "+" at 19.117,93.91 h0.8 r270
C9: Top Overlay "+" at 17.007,93.88 h0.8 r270
C10: Top Overlay "+" at 17.962,68.142 h0.8 r90
C11: Top Overlay "+" at 7.337,75.48 h0.8 r270
C12: Top Overlay "+" at 3.74,62.223 h0.8 r180
U5: Mechanical 13 "ANTENNA" at 25.959,97.022 h1.78
?: Top Overlay "2" at 21.35,3.962 h1.27; Top Overlay "1" at 21.858,1.422 h1.27; Top Overlay "9" at 35.574,1.422 h1.27; Top Overlay "10" at 35.574,3.962 h1.27